# KiCad board stepper-driver.kicad_pcb (continued)
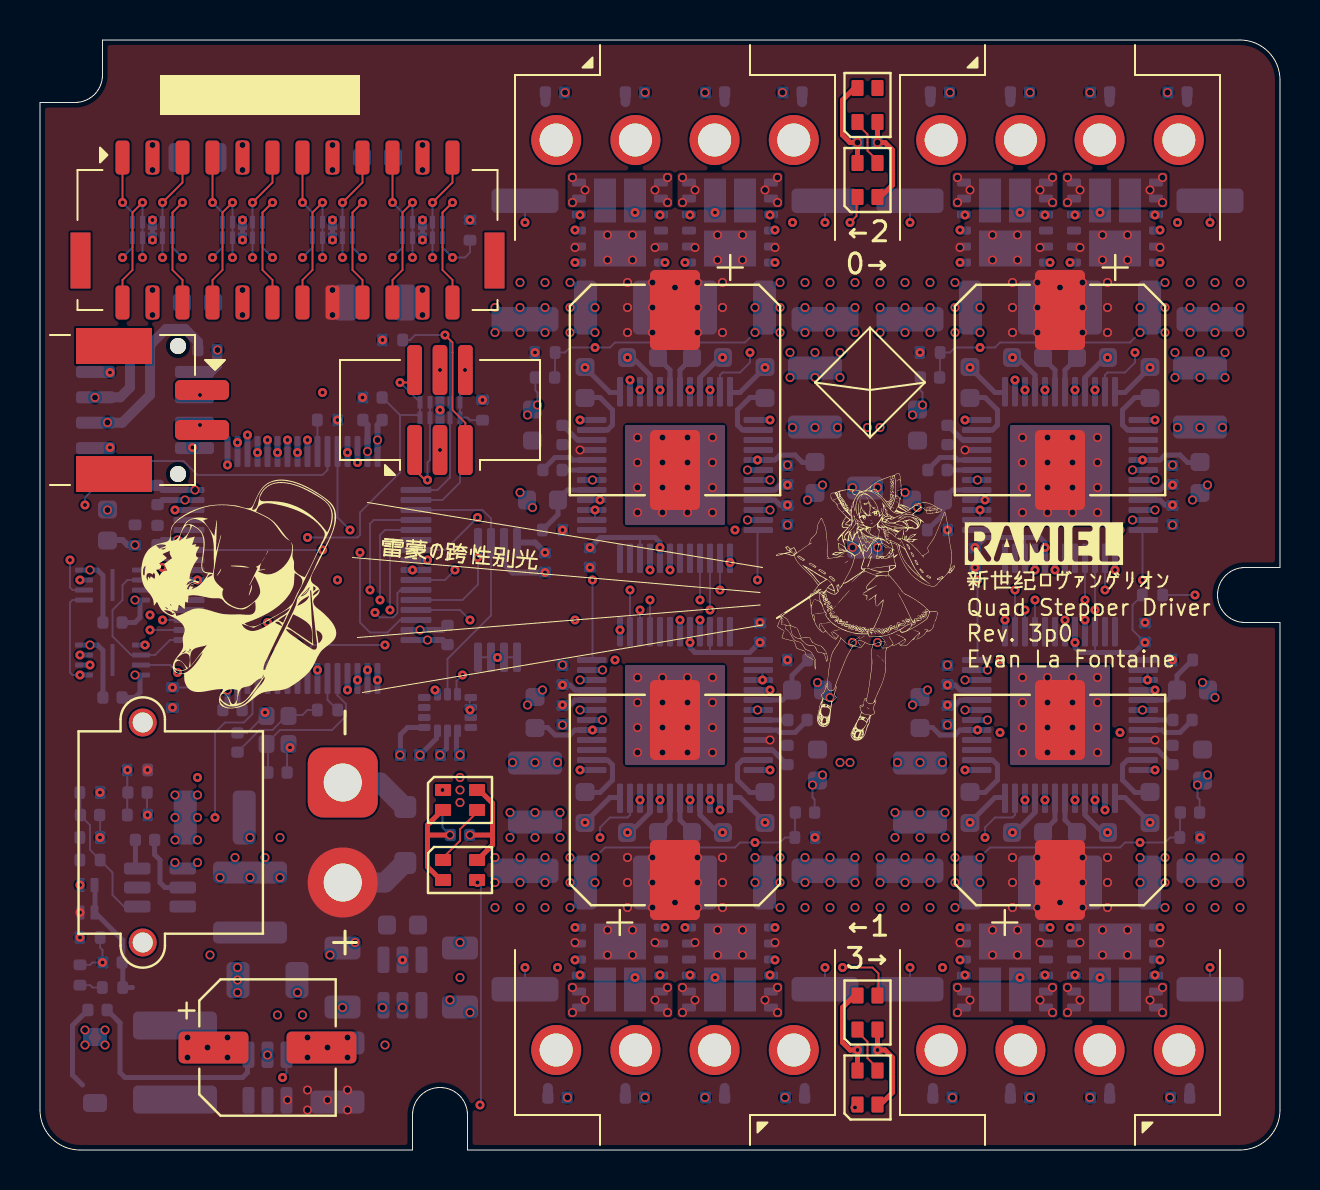
[diagram p0: board, top side]
## Nets (continued)
VDDA: C111.2 L250.2 U101.28 U101.29
/ARGB_{0}: D101.3 R101.2 U101.59
/ARGB_{1}: D101.1 D103.3
/ARGB_{2}: D103.1 D602.3
/CAN_RX: U101.45 U102.4
/CAN_TX: U101.46 U102.1
/CANH: J101.2 U102.7
/CANL: J101.1 U102.6
/Channel0/+A: C306.1 C311.2 J301.2 U301.10 U301.C U302.40
/Channel0/+B: C308.1 C309.2 J301.4 U302.48 U303.10 U303.C
/Channel0/-A: C307.1 C312.2 J301.1 U301.3 U301.B U302.37
/Channel0/-B: C310.2 C313.1 J301.3 U302.45 U303.3 U303.B
/Channel0/ARGB_{I}: D301.3 D402.1
/Channel0/ARGB_{O}: D301.1 D502.3
/Channel0/CHA.C1: C306.2 U302.42
/Channel0/CHA.C2: C307.2 U302.35
/Channel0/CHA.H1: U301.12 U302.41
/Channel0/CHA.H2: U301.1 U302.36
/Channel0/CHA.L1: U301.9 U302.39
/Channel0/CHA.L2: U301.4 U302.38
/Channel0/CHA.SRH: C303.2 R302.1 U301.5 U301.6 U301.7 U301.8 U302.8
/Channel0/CHB.C1: C308.2 U302.2
/Channel0/CHB.C2: C313.2 U302.43
/Channel0/CHB.H1: U302.1 U303.12
/Channel0/CHB.H2: U302.44 U303.1
/Channel0/CHB.L1: U302.47 U303.9
/Channel0/CHB.L2: U302.46 U303.4
/Channel0/CHB.SRH: C314.2 R303.1 U302.9 U303.5 U303.6 U303.7 U303.8
/Channel0/CPI: C302.1 U302.32
/Channel0/CPO: C302.2 U302.31
/Channel0/VCP: C301.1 U302.34
/Channel1/+A: C408.1 C413.2 J401.2 U401.10 U401.C U402.40
/Channel1/+B: C410.1 C411.2 J401.4 U402.48 U403.10 U403.C
/Channel1/-A: C409.1 C414.2 J401.1 U401.3 U401.B U402.37
/Channel1/-B: C412.2 C415.1 J401.3 U402.45 U403.3 U403.B
/Channel1/ARGB_{I}: D402.3 D602.1
/Channel1/CHA.C1: C408.2 U402.42
/Channel1/CHA.C2: C409.2 U402.35
/Channel1/CHA.H1: U401.12 U402.41
/Channel1/CHA.H2: U401.1 U402.36
/Channel1/CHA.L1: U401.9 U402.39
/Channel1/CHA.L2: U401.4 U402.38
/Channel1/CHA.SRH: C404.2 R408.1 U401.5 U401.6 U401.7 U401.8 U402.8
/Channel1/CHB.C1: C410.2 U402.2
/Channel1/CHB.C2: C415.2 U402.43
/Channel1/CHB.H1: U402.1 U403.12
/Channel1/CHB.H2: U402.44 U403.1
/Channel1/CHB.L1: U402.47 U403.9
/Channel1/CHB.L2: U402.46 U403.4
/Channel1/CHB.SRH: C416.2 R415.1 U402.9 U403.5 U403.6 U403.7 U403.8
/Channel1/CPI: C403.1 U402.32
/Channel1/CPO: C403.2 U402.31
/Channel1/VCP: C402.1 U402.34
/Channel2/+A: C508.1 C513.2 J501.2 U501.10 U501.C U502.40
/Channel2/+B: C510.1 C511.2 J501.4 U502.48 U503.10 U503.C
/Channel2/-A: C509.1 C514.2 J501.1 U501.3 U501.B U502.37
/Channel2/-B: C512.2 C515.1 J501.3 U502.45 U503.3 U503.B
/Channel2/ARGB_{O}: D502.1
/Channel2/CHA.C1: C508.2 U502.42
/Channel2/CHA.C2: C509.2 U502.35
/Channel2/CHA.H1: U501.12 U502.41
/Channel2/CHA.H2: U501.1 U502.36
/Channel2/CHA.L1: U501.9 U502.39
/Channel2/CHA.L2: U501.4 U502.38
/Channel2/CHA.SRH: C504.2 R508.1 U501.5 U501.6 U501.7 U501.8 U502.8
/Channel2/CHB.C1: C510.2 U502.2
/Channel2/CHB.C2: C515.2 U502.43
/Channel2/CHB.H1: U502.1 U503.12
/Channel2/CHB.H2: U502.44 U503.1
/Channel2/CHB.L1: U502.47 U503.9
/Channel2/CHB.L2: U502.46 U503.4
/Channel2/CHB.SRH: C516.2 R515.1 U502.9 U503.5 U503.6 U503.7 U503.8
/Channel2/CPI: C503.1 U502.32
/Channel2/CPO: C503.2 U502.31
/Channel2/VCP: C502.1 U502.34
/Channel3/+A: C608.1 C613.2 J601.2 U601.10 U601.C U602.40
/Channel3/+B: C610.1 C611.2 J601.4 U602.48 U603.10 U603.C
/Channel3/-A: C609.1 C614.2 J601.1 U601.3 U601.B U602.37
/Channel3/-B: C612.2 C615.1 J601.3 U602.45 U603.3 U603.B
/Channel3/CHA.C1: C608.2 U602.42
/Channel3/CHA.C2: C609.2 U602.35
/Channel3/CHA.H1: U601.12 U602.41
/Channel3/CHA.H2: U601.1 U602.36
/Channel3/CHA.L1: U601.9 U602.39
/Channel3/CHA.L2: U601.4 U602.38
/Channel3/CHA.SRH: C604.2 R608.1 U601.5 U601.6 U601.7 U601.8 U602.8
/Channel3/CHB.C1: C610.2 U602.2
/Channel3/CHB.C2: C615.2 U602.43
/Channel3/CHB.H1: U602.1 U603.12
/Channel3/CHB.H2: U602.44 U603.1
/Channel3/CHB.L1: U602.47 U603.9
/Channel3/CHB.L2: U602.46 U603.4
/Channel3/CHB.SRH: C616.2 R615.1 U602.9 U603.5 U603.6 U603.7 U603.8
/Channel3/CPI: C603.1 U602.32
/Channel3/CPO: C603.2 U602.31
/Channel3/VCP: C602.1 U602.34
/DBG.NRST: C103.2 D108.5 D108.6 J103.2 U101.7
/DBG.SWCLK: D108.1 D108.10 J103.6 R108.1 U101.50
/DBG.SWDIO: D108.2 D108.9 J103.5 R107.2 U101.49
/DBG.SWO: D108.4 D108.7 J103.1 U101.56
/LI2C_SCL: U101.51 U103.6 U107.13
/LI2C_SDA: U101.60 U103.5 U107.14
/OSC_IN: C101.2 U101.5 Y101.1
/OSC_OUT: R102.2 U101.6
/OSC_OUT_L: C102.2 R102.1 Y101.3
/Power/CP+: C241.2 U240.6
/Power/CP-: C241.1 U240.4
/QSPI.IO0: U101.25 U106.5
/QSPI.IO1: U101.24 U106.2
/QSPI.IO2: U101.21 U106.3
/QSPI.IO3: U101.20 U106.7
/QSPI.IO4: U101.9 U105.5
/QSPI.IO5: U101.10 U105.2
/QSPI.IO6: U101.11 U105.3
/QSPI.IO7: U101.22 U105.7
/QSPI.NCS: R105.2 U101.14 U105.1 U106.1
/QSPI.SCK: U101.17 U105.6 U106.6
/STEP.CLK: R104.1 U302.12 U402.12 U502.12 U602.12
/STEP.DIAG: U101.44 U302.26 U302.27 U402.26 U402.27 U502.26 U502.27 U602.26 U602.27
/STEP.MISO: U101.53 U302.16 U402.16 U502.16 U602.16
/STEP.MOSI: U101.54 U302.15 U402.15 U502.15 U602.15
/STEP.NCS0: U101.62 U302.13
/STEP.NCS1: U101.2 U402.13
/STEP.NCS2: U101.3 U502.13
/STEP.NCS3: U101.4 U602.13
/STEP.NEN: R103.2 U101.55 U302.28 U402.28 U502.28 U602.28
/STEP.SCK: U101.52 U302.14 U402.14 U502.14 U602.14
/STEP_CLK_UT: R104.2 U101.42
/TEMP0: C322.2 R304.2 TH301.1 U101.12
/TEMP1: C426.2 R417.2 TH401.1 U101.13
/TEMP2: C526.2 R517.2 TH501.1 U101.26
/TEMP3: C626.2 R617.2 TH601.1 U101.23
/XIO0: D104.1 D104.10 J102.1 U101.18
/XIO1: D104.2 D104.9 J102.2 U101.19
/XIO2: D104.4 D104.7 J102.5 U101.30
/XIO3: D104.5 D104.6 J102.6 U101.33
/XIO4: D105.1 D105.10 J102.7 U101.34
/XIO5: D105.2 D105.9 J102.8 U101.35
/XIO6: D105.4 D105.7 J102.11 U101.36
/XIO7: D105.5 D105.6 J102.12 U101.37
/XIO8: D106.1 D106.10 J102.13 U101.38
/XIO9: D106.2 D106.9 J102.14 U101.39
/XIO10: D106.4 D106.7 J102.17 U101.40
/XIO11: D106.5 D106.6 J102.18 U101.41
/XIO12: D107.1 D107.10 J102.19 U101.8
/XIO13: D107.2 D107.9 J102.20 U101.57
/XIO14: D107.4 D107.7 J102.23 U101.58
/XIO15: D107.5 D107.6 J102.24 R106.1 U101.61

Pads without a net: U105 9; U106 9; U107 4 9 10 11; U230 5; U302 17 18 23 24 25; U402 17 18 23 24 25; U502 17 18 23 24 25; U602 17 18 23 24 25

## Via types
v1: diameter 0.45, hole 0.3, Top to Bottom, 539 vias
v2: diameter 0.45, hole 0.2, Top to Bottom, 330 vias

## Routing (per net, layer and track width the routed paths; a pad name or vN(x,y) marks a point on that pad's centre or on a via; arc(x,y) is an arc through that point)
+5V: length 143.8
  Top w0.25: 41.88,51.25 v1(41.88,50.38) 42.25,50.38 42.62,50 42.62,48.25 42,47.62 ; 42,2.25 42.62,2.88 42.62,4.62 42.25,5 v2(41.88,5) 41.88,5.75 ; 20.12,17 19.38,16.25 19.38,14.16 20.09,13.45 ; v1(20.5,15.75) 19.5,15.75
  In2.Cu w0.25: v1(8.5,9.75) 10.75,9.75 11.57,8.93 19.07,8.93 v1(20.5,7.5) 20.88,7.5 v1(21.5,6.88) 21.5,6.5 24.47,3.53 40.4,3.53 v2(41.88,5)
  In3.Cu w0.25: v1(2.75,37.62) 2.75,35.24 3.86,34.14 3.86,20.15 4.82,19.18 4.82,13.43 v1(8.5,9.75) ; v1(41.88,50.38) 42.62,49.62 42.62,36.62 44.5,34.75 44.5,24.25 41.38,21.12 41.38,5.5 v2(41.88,5) ; v1(21.5,6.88) 20.88,7.5 v1(20.5,7.5) v1(20.5,15.75)
  Bottom w0.095: v1(20.5,15.75) 20.12,16.12 20.12,17
  Bottom w0.5: 4.5,40.25 4.5,38.12 4.01,37.63 U102.3
+12V: length 138.3
  In2.Cu w0.5: v1(9.88,7.88) v1(9.88,8.5) v1(9.88,9.12) 9.88,9.19 ; v1(37.62,36.12) 44.62,36.12 45.57,37.07 52.28,37.07 53.47,35.88 56.62,35.88 v1(56.88,36.12) v1(59.12,36.12) ; v1(21,17.38) v1(21,18.62) 21.75,19.38 v1(23.62,19.38) v1(25.88,19.38) 26.07,19.57 27.24,19.57 28.38,18.43 36.74,18.43 37.68,19.38 v1(40,19.38) v1(40.5,19.38) v1(45.12,19.38)
  In3.Cu w0.25: v1(9.88,9.12) 9.88,13.83 9.27,14.43 9.27,21.52 10.35,22.6 10.35,34.02 8.5,35.88 8.5,38 8,38.5 8,45.12 10.12,47.24 v1(10.12,49) v1(10.12,50.25)
  In3.Cu w0.5: v1(40,19.38) v1(40.5,19.38) 40.5,21.88 43.38,24.75 43.38,30.62 42.62,31.38 42.62,34.38 42,35 v1(42,36.12) v1(41.38,36.12) ; v1(9.88,7.88) v1(9.88,9.12) 11.75,11 16.88,11 18.25,12.38 18.25,14.5 21,17.25 v1(21,18.62)
  Bottom w0.25: 4.62,8.12 R220.1 4.14,10.49 2.75,11.88 2.75,13.25
  vias: v1(7.38,5.62) v1(7.38,4.62) v1(8.38,5.12) v1(9.38,5.62) v1(9.38,4.62) v1(21,18) v1(24.75,19.38) v1(38.75,36.12) v1(39.88,36.12) v1(42.88,19.38) v1(44,19.38) v1(58,36.12)
/Channel0/5V_{FLT}: length 3.7
  Bottom w0.25: C305.2 25.9,31.77 25.12,31 ; 25.88,32.5 26.38,33 U302.29
/Channel0/5V_{RAW}: length 15.7
  In2.Cu w0.25: v2(34.75,31) v2(26.12,31)
  In3.Cu w0.25: v2(34.75,31) 34.75,32.5 35.88,33.62 v2(35.88,34.5)
  Bottom w0.25: 38.75,34.38 38.12,34.38 37.75,34.75 37,34.75 36.75,34.5 U302.5
/Channel1/5V_{FLT}: length 3.7
  Bottom w0.25: U402.29 37.12,22.5 37.62,23 ; 38.38,24.5 37.6,23.73 C407.2
/Channel1/5V_{RAW}: length 15.7
  In2.Cu w0.25: v2(28.75,24.5) v2(37.38,24.5)
  In3.Cu w0.25: v2(27.62,21) 27.62,21.88 28.75,23 v2(28.75,24.5)
  Bottom w0.25: 24.75,21.12 25.38,21.12 25.75,20.75 26.5,20.75 26.75,21 U402.5
/Channel2/5V_{FLT}: length 3.7
  Bottom w0.25: 45.12,32.5 45.62,33 U502.29 ; 44.38,31 45.15,31.77 C507.2
/Channel2/5V_{RAW}: length 15.7
  In2.Cu w0.25: v2(54,31) v2(45.38,31)
  In3.Cu w0.25: v2(54,31) 54,32.5 55.12,33.62 v2(55.12,34.5)
  Bottom w0.25: 58,34.38 57.38,34.38 57,34.75 56.25,34.75 56,34.5 U502.5
/Channel3/5V_{FLT}: length 3.7
  Bottom w0.25: 56.88,23 56.38,22.5 U602.29 ; C607.2 56.85,23.73 57.62,24.5
/Channel3/5V_{RAW}: length 15.7
  In2.Cu w0.25: v2(48,24.5) v2(56.62,24.5)
  In3.Cu w0.25: v2(48,24.5) 48,23 46.88,21.88 v2(46.88,21)
  Bottom w0.25: U602.5 46,21 45.75,20.75 45,20.75 44.62,21.12 44,21.12
/Power/3V3_{BST}: length 1.4
  Bottom w0.25: 4.75,14.12 4.77,14.14 C231.1
/Power/3V3_{FBM}: length 1.1
  Bottom w0.095: R231.1 1.99,15.62 2,15.62
/Power/3V3_{FB}: length 7.3
  Bottom w0.095: 2,17.88 2.02,17.86 C232.1 ; 3,14.5 3.62,13.88 3.62,12.75 4.2,12.18 U230.4 ; 2,16.75 2.5,16.25 2.5,15.01 R231.2
/Power/3V3_{SW}: length 3.6
  Bottom w0.25: 7.25,13.12 6.25,13.12 6,13.38 6,14.5 5.73,14.77 C231.2
/Power/12V_{BST}: length 10.7
  Bottom w0.25: C224.1 4,6.36 4,3.88 4.25,3.62 10.12,3.62 10.38,3.88 10.38,4.62
/Power/12V_{FBM}: length 1.2
  Bottom w0.095: R221.1 2.51,8.24 2.62,8.12 3.12,8.12
/Power/12V_{FB}: length 15.8
  In2.Cu w0.095: v2(12.12,3.62) 7.5,3.62 3.12,8 v2(3.12,9.38)
  Bottom w0.095: v2(3.12,9.38) 2.62,9.38 2.51,9.26 R221.2 ; R222.1 3.01,10.11 3.12,10 3.12,9.5 ; v2(12.12,3.62) 12.32,3.82 U220.3
/Power/12V_{SW}: length 4.3
  Bottom w0.25: 2.12,3.25 1.62,3.75 1.62,6.23 C224.2
/VBUS_SENSE: length 31
  In3.Cu w0.095: v2(4.38,19) 3,20.38 3,31.5 v2(2.25,32.25)
  Bottom w0.095: 4.38,16.75 4.36,16.76 R210.2 ; v2(2.25,32.25) 2.25,32.62 4.07,34.45 7.18,34.45 7.88,33.75 14.12,33.75 14.38,34 U101.43
GND: length 85.3
  Top w0.25: 21.91,18.05 22.62,17.34 22.62,15.25 21.88,14.5 ; v1(21.5,15.75) 22.5,15.75 ; 40.88,49.62 v1(40.88,50.38) 40.5,50.38 40.12,50.75 40.12,52.5 40.75,53.12 ; 40.88,4.12 v2(40.88,5) 40.5,5 40.12,5.38 40.12,7.12 40.75,7.75
  Bottom w0.095: C102.1 10.36,20.86 11.12,21.62 ; C426.1 38.73,17.52 38.62,17.62 v1(38.62,18.25) ; 23.88,24.62 23.86,24.64 U103.4 ; v2(5.38,16.75) 5.36,16.77 C210.1 ; 54.75,40.62 54.5,40.38 51.62,40.38 51.5,40.5 51.5,41.51 TH501.2 ; C526.1 44.02,37.98 44.12,37.88 v1(44.12,37.25) ; 21.5,21.62 21.48,21.64 21.48,22.62 ; TH601.2 50.5,13.99 50.5,15 50.38,15.12 47.5,15.12 47.25,14.88 ; TH301.2 32.25,41.51 32.25,40.5 32.38,40.38 35.25,40.38 35.5,40.62 ; v1(24.88,37.25) 24.88,37.88 24.77,37.98 C322.1 ; v1(57.88,18.25) 57.88,17.62 57.98,17.52 C626.1 ; C101.1 12.36,20.23 12.38,20.25 ; TH401.2 31.25,13.99 31.25,15 31.12,15.12 28.25,15.12 28,14.88
  Bottom w0.25: 2.25,29 v1(2.5,29) 2.88,29 3.14,28.73 C119.1 ; D107.3 v2(19.12,45.5) ; D106.3 v2(14.62,45.5) ; D105.3 v2(10.12,45.5) ; 20,36.62 v2(20,37) D108.8 ; v1(20,19.75) 20.32,20.07 20.32,20.96 ; v1(19,19.75) 19.82,20.57 19.82,20.96 ; C120.1 3.14,24.98 2.88,25.25 v1(2.5,25.25) 2.38,25.25 ; D104.3 v2(5.62,45.5)
  Bottom w0.3: U101.27 v1(6.88,30.5) 6.12,30.5 5.88,30.25 ; 10.12,22 9.88,22.25 v1(9.88,23.5) U101.15 ; 20.38,26.25 20.12,26 v1(19,26) U101.63 ; U103.7 23.2,29.3 23.62,28.88 v2(25.25,28.88) ; U101.31 v1(7.25,32.5) 6.12,32.5 5.88,32.25 ; 16.12,36.5 16.38,36.25 v1(16.38,34.92)
  Bottom w0.5: U102.2 4.11,36.37 5.5,37.75 5.5,40.25 6.3,41.05 7.25,41.05 7.89,40.41 C116.1
  Bottom w1: J210.1 17,18.38 18.25,17.12
  vias: v1(2.25,6) v1(2.25,5.25) v1(3.25,6) v1(3.25,5.25) v1(3.38,36.38) v1(3.38,32) v1(5.62,50.25) v1(5.62,49) v1(6.75,17.75) v1(6.75,16.62) v1(6.75,15.5) v1(6.75,14.38) v1(7.88,17.75) v1(7.88,16.62) v1(7.88,15.5) v1(7.88,14.38) v1(10.12,43) v1(10.12,41.75) v1(11.38,4.75) v1(11.88,6.75) v1(12.88,7.88) v1(13.12,6.75) v1(13.38,5.62) v1(13.38,4.62) v1(14.38,5.12) v1(14.62,50.25) v1(14.62,49) v1(15.12,7.12) v1(15.38,5.62) v1(15.38,4.62) v1(17.25,5.25) v1(18.12,7.12) v1(19.12,43) v1(19.12,41.75) v1(21,10.38) v1(21,8.62) v1(22.75,42.12) v1(22.75,40.88) v1(22.75,14.62) v1(22.75,13.38) v1(22.75,12.12) v1(23.5,16.88) v1(23.5,15.62) v1(24,43.38) v1(24,42.12) v1(24,40.88) v1(24,32.88) v1(24,14.62) v1(24,13.38) v1(24,12.12) v1(24.38,36.75) v1(24.38,22.25) v1(24.62,32.12) v1(24.75,16.88) v1(24.75,15.62) v1(25.12,23) v1(25.25,43.38) v1(25.25,42.12) v1(25.25,40.88) v1(25.25,14.62) v1(25.25,13.38) v1(25.25,12.12) v1(26,16.88) v1(26,15.62) v1(26.12,24.25) v1(26.12,21.25) v1(26.25,52.88) v1(26.38,2.62) v1(26.5,43.38) v1(26.5,42.12) v1(26.5,40.88) v1(26.5,14.62) v1(26.5,13.38) v1(26.5,12.12) v1(27,23.5) v1(27,22) v1(27.62,33.5) v1(27.75,42.12) v1(27.75,40.88) v1(27.75,14.62) v1(27.75,13.38) v1(28.12,24) v1(28.12,21.5) v1(29.88,35.62) v1(29.88,34.38) v1(29.88,33.12) v1(29.88,31.88) v1(29.88,23.62) v1(29.88,22.38) v1(29.88,21.12) v1(29.88,19.88) v1(30.25,52.88) v1(30.25,2.62) v1(31.12,35.62) v1(31.12,34.38) v1(31.12,33.12) v1(31.12,31.88) v1(31.12,23.62) v1(31.12,22.38) v1(31.12,21.12) v1(31.12,19.88) v1(32.38,35.62) v1(32.38,34.38) v1(32.38,33.12) v1(32.38,31.88) v1(32.38,23.62) v1(32.38,22.38) v1(32.38,21.12) v1(32.38,19.88) v1(33.25,52.88) v1(33.25,2.62) v1(33.62,35.62) v1(33.62,34.38) v1(33.62,33.12) v1(33.62,31.88) v1(33.62,23.62) v1(33.62,22.38) v1(33.62,21.12) v1(33.62,19.88) v1(35.38,34) v1(35.38,31.5) v1(35.75,42.12) v1(35.75,40.88) v1(35.75,14.62) v1(35.75,13.38) v1(35.88,22) v1(36.5,33.5) v1(36.5,32) v1(37,43.38) v1(37,42.12) v1(37,40.88) v1(37,14.62) v1(37,13.38) v1(37,12.12) v1(37.12,52.88) v1(37.25,2.62) v1(37.38,34.25) v1(37.38,31.25) v1(37.5,39.88) v1(37.5,38.62) v1(38.25,43.38) v1(38.25,42.12) v1(38.25,40.88) v1(38.25,14.62) v1(38.25,13.38) v1(38.25,12.12) v1(38.38,32.5) v1(38.75,39.88) v1(38.75,38.62) v1(38.88,23.38) v1(39.12,33.25) v1(39.12,18.75) v1(39.5,43.38) v1(39.5,42.12) v1(39.5,40.88) v1(39.5,22.62) v1(39.5,14.62) v1(39.5,13.38) v1(39.5,12.12) v1(40,39.88) v1(40,38.62) v1(40.62,33.12) v1(40.75,43.38) v1(40.75,42.12) v1(40.75,40.88) v1(40.75,14.62) v1(40.75,13.38) v1(40.75,12.12) v1(41.88,33.12) v1(42,43.38) v1(42,42.12) v1(42,40.88) v1(42,14.62) v1(42,13.38) v1(42,12.12) v1(42.75,16.88) v1(42.75,15.62) v1(43.25,43.38) v1(43.25,42.12) v1(43.25,40.88) v1(43.25,32.88) v1(43.25,14.62) v1(43.25,13.38) v1(43.25,12.12) v1(43.62,36.75) v1(43.62,22.25) v1(43.88,32.12) v1(44,16.88) v1(44,15.62) v1(44.38,23) v1(44.5,43.38) v1(44.5,42.12) v1(44.5,40.88) v1(44.5,14.62) v1(44.5,13.38) v1(44.5,12.12) v1(45.25,16.88) v1(45.25,15.62) v1(45.38,24.25) v1(45.38,21.25) v1(45.5,52.88) v1(45.62,2.62) v1(45.75,43.38) v1(45.75,42.12) v1(45.75,40.88) v1(45.75,14.62) v1(45.75,13.38) v1(45.75,12.12) v1(46.25,23.5) v1(46.25,22) v1(46.88,33.5) v1(47,42.12) v1(47,40.88) v1(47,14.62) v1(47,13.38) v1(47.38,24) v1(47.38,21.5) v1(49.12,35.62) v1(49.12,34.38) v1(49.12,33.12) v1(49.12,31.88) v1(49.12,23.62) v1(49.12,22.38) v1(49.12,21.12) v1(49.12,19.88) v1(49.5,52.88) v1(49.5,2.62) v1(50.38,35.62) v1(50.38,34.38) v1(50.38,33.12) v1(50.38,31.88) v1(50.38,23.62) v1(50.38,22.38) v1(50.38,21.12) v1(50.38,19.88) v1(51.62,35.62) v1(51.62,34.38) v1(51.62,33.12) v1(51.62,31.88) v1(51.62,23.62) v1(51.62,22.38) v1(51.62,21.12) v1(51.62,19.88) v1(52.5,52.88) v1(52.5,2.62) v1(52.88,35.62) v1(52.88,34.38) v1(52.88,33.12) v1(52.88,31.88) v1(52.88,23.62) v1(52.88,22.38) v1(52.88,21.12) v1(52.88,19.88) v1(54.62,34) v1(54.62,31.5) v1(55,42.12) v1(55,40.88) v1(55,14.62) v1(55,13.38) v1(55.12,22) v1(55.75,33.5) v1(55.75,32) v1(56.25,43.38) v1(56.25,42.12) v1(56.25,40.88) v1(56.25,14.62) v1(56.25,13.38) v1(56.25,12.12) v1(56.38,52.88) v1(56.5,2.62) v1(56.62,34.25) v1(56.62,31.25) v1(56.75,39.88) v1(56.75,38.62) v1(57.5,43.38) v1(57.5,42.12) v1(57.5,40.88) v1(57.5,14.62) v1(57.5,13.38) v1(57.5,12.12) v1(57.62,32.5) v1(58,39.88) v1(58,38.62) v1(58.12,23.38) v1(58.38,33.25) v1(58.38,18.75) v1(58.75,43.38) v1(58.75,42.12) v1(58.75,40.88) v1(58.75,22.62) v1(58.75,14.62) v1(58.75,13.38) v1(58.75,12.12) v1(59.25,39.88) v1(59.25,38.62) v1(60,43.38) v1(60,42.12) v1(60,40.88) v1(60,14.62) v1(60,13.38) v1(60,12.12) v2(2,10.62) v2(3,17.88) v2(5.5,26.75) v2(5.62,46.5) v2(6.12,29.12) v2(7.62,35.12) v2(10.12,46.5) v2(11.25,21.88) v2(12.5,20.12) v2(14.62,46.5) v2(16.12,37.62) v2(19.12,46.5) v2(20,35) v2(21.5,46.5) v2(21.5,22) v2(22.12,37.5) v2(22.88,24.62) v2(27.5,29.12) v2(30.5,29) v2(31.5,29) v2(32,26.5) v2(33,26.5) v2(36,26.38) v2(46.75,29.12) v2(49.75,29) v2(50.75,29) v2(51.25,26.5) v2(52.25,26.5) v2(55.25,26.38)
VBUS: length 3.5
  Bottom w1: J210.2 17.25,13.38 18.25,14.38
  vias: v1(12.38,2.5) v1(13.38,3) v1(13.38,2) v1(14.38,2.5) v1(14.62,43) v1(14.62,41.75) v1(15.38,3) v1(15.38,2) v1(26.75,45.12) v1(26.75,10.38) v1(27,35) v1(28.38,45.75) v1(28.38,44.5) v1(28.38,11) v1(28.38,9.75) v1(29.38,43.38) v1(29.38,42.12) v1(29.38,40.88) v1(29.38,14.62) v1(29.38,13.38) v1(29.38,12.12) v1(29.62,45.75) v1(29.62,44.5) v1(29.62,11) v1(29.62,9.75) v1(30.62,43.38) v1(30.62,42.12) v1(30.62,40.88) v1(30.62,14.62) v1(30.62,13.38) v1(30.62,12.12) v1(30.75,45.12) v1(30.75,10.38) v1(31.75,43.12) v1(31.75,12.38) v1(32.75,45.12) v1(32.75,10.38) v1(32.88,43.38) v1(32.88,42.12) v1(32.88,40.88) v1(32.88,14.62) v1(32.88,13.38) v1(32.88,12.12) v1(33.88,45.75) v1(33.88,44.5) v1(33.88,11) v1(33.88,9.75) v1(34.12,43.38) v1(34.12,42.12) v1(34.12,40.88) v1(34.12,14.62) v1(34.12,13.38) v1(34.12,12.12) v1(35.12,45.75) v1(35.12,44.5) v1(35.12,11) v1(35.12,9.75) v1(36.5,20.5) v1(36.75,45.12) v1(36.75,10.38) v1(46,45.12) v1(46,10.38) v1(46.25,35) v1(47.62,45.75) v1(47.62,44.5) v1(47.62,11) v1(47.62,9.75) v1(48.62,43.38) v1(48.62,42.12) v1(48.62,40.88) v1(48.62,14.62) v1(48.62,13.38) v1(48.62,12.12) v1(48.88,45.75) v1(48.88,44.5) v1(48.88,11) v1(48.88,9.75) v1(49.88,43.38) v1(49.88,42.12) v1(49.88,40.88) v1(49.88,14.62) v1(49.88,13.38) v1(49.88,12.12) v1(50,45.12) v1(50,10.38) v1(51,43.12) v1(51,12.38) v1(52,45.12) v1(52,10.38) v1(52.12,43.38) v1(52.12,42.12) v1(52.12,40.88) v1(52.12,14.62) v1(52.12,13.38) v1(52.12,12.12) v1(53.12,45.75) v1(53.12,44.5) v1(53.12,11) v1(53.12,9.75) v1(53.38,43.38) v1(53.38,42.12) v1(53.38,40.88) v1(53.38,14.62) v1(53.38,13.38) v1(53.38,12.12) v1(54.38,45.75) v1(54.38,44.5) v1(54.38,11) v1(54.38,9.75) v1(55.75,20.5) v1(56,45.12) v1(56,10.38) v2(2,11.88) v2(5.38,19)
VDD: length 136.1
  In2.Cu w0.5: v2(50.25,30.12) v2(46.75,30.12) v1(41.88,30.12) v1(40.62,30.12) v2(31,30.12) v2(27.5,30.12) 25.5,30.12 v2(25.25,29.88) 23.38,29.88 ; v2(55.25,25.38) v2(51.75,25.38) v2(32.5,25.38)
  In3.Cu w0.095: v2(27.5,30.12) 26.5,31.12 26.5,36.25 24.75,38 v2(24.75,39.88) ; v2(55.25,25.38) 56.15,24.48 56.15,19.35 58,17.5 v2(58,15.62) ; v2(46.75,30.12) 45.75,31.12 45.75,36.25 44,38 v2(44,39.88) ; v2(36,25.38) 37,24.38 37,19.25 38.75,17.5 v2(38.75,15.62)
  Bottom w0.095: 3,16.75 3.01,16.74 R230.1 ; U302.22 30,30.62 ; U602.22 52.75,24.88 ; U402.22 33.5,24.88 ; v2(55.25,25.38) 54.62,26 54.62,27.25 55.11,27.74 ; U502.22 49.25,30.62
  Bottom w0.25: C619.2 54.73,24.88 52,24.88 51.75,25.12 v2(51.75,25.38) ; C120.2 4.75,22.62 5,22.88 5,23.75 ; 20.82,20.96 20.82,19.93 v1(21,19.75) ; v2(31,30.12) 31,30.38 30.75,30.62 28.02,30.62 C321.2 ; v2(32.5,25.38) 32.5,25.12 32.75,24.88 35.48,24.88 C419.2 ; C119.2 4.75,26.38 5,26.62 5,27.5 ; v2(50.25,30.12) 50.25,30.38 50,30.62 47.27,30.62 C519.2 ; C121.2 18.02,20.77 18.38,21.12 19.12,21.12
  Bottom w0.3: L250.1 4.39,30.24 4.12,30.5 3.38,30.5 ; 20.38,25.25 20.12,25.5 v1(19.38,25.5) U101.64 ; 5.88,33.25 6.12,33 U101.32 ; U103.8 23.86,30.38 24.75,30.38 v2(25.25,29.88) ; 9.12,22 9.38,22.25 v1(9.38,23) U101.16 ; 17.12,36.5 16.88,36.25 v1(16.88,35.5) U101.48
  Bottom w0.5: C116.2 8.86,39.23 8.5,38.88
  vias: v1(4.75,30.25) v1(4.75,27.5) v1(4.75,23.75) v1(5.62,43) v1(5.62,41.75) v1(7.75,33) v1(8.88,40) v1(9,13.62) v1(9.75,14.62) v1(10.5,15.62) v1(10.5,13.62) v1(11.25,14.62) v1(12,15.62) v1(12,13.62) v1(14.5,9.75) v1(15.75,10.38) v1(17.12,7.12) v1(18,19.75) v1(19.12,50.25) v1(19.12,49) v1(40.62,25.38) v1(41.88,25.38) v2(2,13.25) v2(3,15.62) v2(6.62,22.12) v2(16.88,23.5) v2(17.12,40.5) v2(18.12,9.5) v2(19.75,23) v2(20,39)
/ARGB_{0}: length 13.6
  In3.Cu w0.095: v2(16.75,26.88) 16.75,24.15 19.6,21.29 19.6,18.52 v2(20.12,18)
  Bottom w0.095: v2(16.75,26.88) 16.99,26.63 17.65,26.63 17.87,26.85 17.87,27.84 18.03,28 U101.59
/ARGB_{1}: length 3.2
  Top w0.095: 20.09,14.55 21,15.46 21,16.04 21.91,16.95
/ARGB_{2}: length 30.3
  In2.Cu w0.095: v2(22,2.25) 22.5,1.75 40.38,1.75 v2(40.75,2.12)
  Bottom w0.095: v2(22,2.25) 22.04,2.29 22.04,13.21 v2(21.88,13.38)
/CAN_RX: length 13.5
  In2.Cu w0.095: v2(15.38,34.88) 11.38,38.88 v2(3.5,38.88)
/CAN_TX: length 12.7
  In2.Cu w0.095: v2(15.88,34.38) 9.77,34.38 9.53,34.62 4.01,34.62 v2(3.5,35.12)
/CANH:
  vias: v2(8,36.25)
/CANL:
  vias: v2(8,37.75)
/Channel0/+A: length 10.4
  In3.Cu w0.25: v2(29.38,39.62) 28.9,40.1 28.9,46.02 v2(29.75,46.88)
  Bottom w0.25: 29.62,39.62 30.5,38.75 U302.40
  Bottom w0.5: C311.2 29.27,52.39
/Channel0/+B: length 9.8
  In3.Cu w0.25: v2(36.25,39.12) 36.25,45.5 v2(36.75,46)
  Bottom w0.25: v2(36.25,39.12) 35,37.88 34.54,37.88
  Bottom w0.5: C309.2 38.11,52.39
/Channel0/-A: length 9.8
  In3.Cu w0.25: v2(26.75,46) 27.25,45.5 v2(27.25,39.12)
  Bottom w0.25: 28.96,37.88 28.5,37.88 v2(27.25,39.12)
  Bottom w0.5: C312.2 25.27,52.39
/Channel0/-B: length 10.5
  In3.Cu w0.25: v2(34.12,39.62) 34.75,40.25 34.75,43.88 34.5,44.12 34.5,46.12 v2(33.75,46.88)
  Bottom w0.25: 34,39.62 33,38.62 U302.45
  Bottom w0.5: C310.2 34.23,52.39
/Channel0/ARGB_{I}: length 43.2
  Top w0.095: v2(40.5,46.38) 40.83,46.7 40.83,47.59 ; 41.92,7.79 41.92,8.82 41.62,9.12 v2(40.12,9.12)
  In3.Cu w0.095: v2(40.5,46.38) 41.25,45.62 41.25,37.41 40.75,36.91 40.75,33.81 39.33,32.4 39.33,23.02 39.1,22.79 39.1,19.34 40.12,18.31 v2(40.12,9.12)
/Channel0/ARGB_{O}: length 2.4
  Top w0.095: 41.92,49.41 41.38,49.97 41.38,50.78 40.83,51.34
/Channel0/CHA.C1: length 2
  Bottom w0.25: 30.88,39.62 31.5,39 U302.42
/Channel0/CHA.C2: length 3.5
  Bottom w0.25: U302.35 28.38,36 28.62,36.25 28.62,37 28,37.62 27.25,37.62
/Channel0/CHA.H1: length 6.5
  In3.Cu w0.095: v2(31.25,44.38) 31.25,38.25 v2(31,38)
/Channel0/CHA.H2: length 8.6
  In3.Cu w0.095: v2(26.75,44.38) 26,43.62 26,37.5 v2(27,36.5)
/Channel0/CHA.L1: length 9.5
  In3.Cu w0.095: v2(31,46.75) 31.38,46.38 31.38,45.12 30,43.75 v2(30,38)
/Channel0/CHA.L2: length 9.3
  In3.Cu w0.095: v2(27,46.75) 27.75,46 27.75,44.5 28.25,44 28.25,39.75 v2(29.5,38.5)
/Channel0/CHA.SRH: length 30.7
  In2.Cu w0.095: v2(24.25,46.38) v2(37.62,46.38)
  In3.Cu w0.095: v2(37.62,46.38) 38.88,45.12 38.88,40.62 39.38,40.12 39.38,35.25 v2(37.38,33.25)
  Bottom w0.095: R302.1 v2(24.25,46.38)
  Bottom w0.25: U302.8 36.75,33 37,33.25 v2(37.38,33.25)
  vias: v1(26.62,48.62) v1(26.62,47.38) v1(27.25,48) v1(30.75,48) v1(31.38,48.62) v1(31.38,47.38)
/Channel0/CHB.C1: length 3.4
  Bottom w0.25: 36.12,37.62 35.5,37.62 34.88,37 34.88,36.25 35.12,36 U302.2
/Channel0/CHB.C2: length 2
  Bottom w0.25: 32.62,39.62 32,39 U302.43
/Channel0/CHB.H1: length 9
  In3.Cu w0.095: v2(36.75,44.38) 37.75,43.38 37.75,40.62 38,40.38 38,38 v2(36.5,36.5)
/Channel0/CHB.H2: length 6.5
  In3.Cu w0.095: v2(32.25,44.38) 32.25,38.25 v2(32.5,38)
/Channel0/CHB.L1: length 10.3
  In3.Cu w0.095: v2(35.5,39.88) 35.25,40.12 35.25,44 35.62,44.38 35.62,45.88 v2(36.5,46.75)
  Bottom w0.095: 34,38.25 34,38.75 34.12,38.88 35,38.88 35.5,39.38 v2(35.5,39.88)
/Channel0/CHB.L2: length 9.2
  In3.Cu w0.095: v2(33.5,38) 33.5,43.75 33.25,44 33.25,46 v2(32.5,46.75)
/Channel0/CHB.SRH: length 18.5
  In3.Cu w0.095: v2(37.38,32.25) 40.4,35.27 40.4,40.48 40.12,40.75 40.12,45.5 v2(39.25,46.38)
  Bottom w0.095: R303.1 v2(39.25,46.38)
  Bottom w0.25: U302.9 36.75,32.5 37,32.25 v2(37.38,32.25)
  vias: v1(32.12,48.62) v1(32.12,47.38) v1(32.75,48) v1(36.25,48) v1(36.88,48.62) v1(36.88,47.38)
/Channel0/CPI: length 2.8
  Bottom w0.25: U302.32 26.62,34.5 26.5,34.62 25.75,34.62 25.12,34
/Channel0/CPO: length 1.4
  Bottom w0.25: C302.2 27.5,34
/Channel0/VCP: length 1.6
  Bottom w0.25: U302.34 26.88,35.5 26.25,36.12
/Channel1/+A: length 10.4
  In3.Cu w0.25: v2(33.75,8.62) 34.6,9.48 34.6,15.4 v2(34.12,15.88)
  Bottom w0.25: U402.40 33,16.75 33.88,15.88
  Bottom w0.5: C413.2 34.23,3.11
/Channel1/+B: length 9.8
  In3.Cu w0.25: v2(27.25,16.38) 27.25,10 v2(26.75,9.5)
  Bottom w0.25: v2(27.25,16.38) 28.5,17.62 28.96,17.62
  Bottom w0.5: 25.39,2.62 25.39,3.11
/Channel1/-A: length 9.8
  In3.Cu w0.25: v2(36.25,16.38) 36.25,10 v2(36.75,9.5)
  Bottom w0.25: 34.54,17.62 35,17.62 v2(36.25,16.38)
  Bottom w0.5: C414.2 38.23,3.11
/Channel1/-B: length 10.5
  In3.Cu w0.25: v2(29.38,15.88) 28.75,15.25 28.75,11.62 29,11.38 29,9.38 v2(29.75,8.62)
  Bottom w0.25: U402.45 30.5,16.88 29.5,15.88
  Bottom w0.5: C412.2 29.27,3.11
/Channel1/ARGB_{I}: length 2.4
  Top w0.095: 41.92,4.04 41.38,4.59 41.38,5.41 40.83,5.96
/Channel1/CHA.C1: length 2
  Bottom w0.25: U402.42 32,16.5 32.62,15.88
/Channel1/CHA.C2: length 3.5
  Bottom w0.25: U402.35 35.12,19.5 34.88,19.25 34.88,18.5 35.5,17.88 36.25,17.88
/Channel1/CHA.H1: length 6.5
  In3.Cu w0.095: v2(32.25,11.12) 32.25,17.25 v2(32.5,17.5)
/Channel1/CHA.H2: length 8.6
  In3.Cu w0.095: v2(36.75,11.12) 37.5,11.88 37.5,18 v2(36.5,19)
/Channel1/CHA.L1: length 9.5
  In3.Cu w0.095: v2(32.5,8.75) 32.12,9.12 32.12,10.38 33.5,11.75 v2(33.5,17.5)
/Channel1/CHA.L2: length 9.3
  In3.Cu w0.095: v2(36.5,8.75) 35.75,9.5 35.75,11.12 35.25,11.62 35.25,15.75 v2(34,17)
/Channel1/CHA.SRH: length 30.7
  In2.Cu w0.095: v2(39.25,9.12) v2(25.88,9.12)
  In3.Cu w0.095: v2(26.12,22.25) 24.12,20.25 24.12,15.38 24.62,14.88 24.62,10.38 v2(25.88,9.12)
  Bottom w0.095: R408.1 v2(39.25,9.12)
  Bottom w0.25: U402.8 26.75,22.5 26.5,22.25 v2(26.12,22.25)
  vias: v1(32.12,8.12) v1(32.12,6.88) v1(32.75,7.5) v1(36.25,7.5) v1(36.88,8.12) v1(36.88,6.88)
/Channel1/CHB.C1: length 3.4
  Bottom w0.25: U402.2 28.38,19.5 28.62,19.25 28.62,18.5 28,17.88 27.38,17.88
/Channel1/CHB.C2: length 2
  Bottom w0.25: U402.43 31.5,16.5 30.88,15.88
/Channel1/CHB.H1: length 9
  In3.Cu w0.095: v2(27,19) 25.5,17.5 25.5,15.12 25.75,14.88 25.75,12.12 v2(26.75,11.12)
/Channel1/CHB.H2: length 6.5
  In3.Cu w0.095: v2(31,17.5) 31.25,17.25 v2(31.25,11.12)
/Channel1/CHB.L1: length 10.3
  In3.Cu w0.095: v2(28,15.62) 28.25,15.38 28.25,11.5 27.88,11.12 27.88,9.62 v2(27,8.75)
  Bottom w0.095: v2(28,15.62) 28,16.12 28.5,16.62 29.38,16.62 29.5,16.75 29.5,17.25
/Channel1/CHB.L2: length 9.2
  In3.Cu w0.095: v2(31,8.75) 30.25,9.5 30.25,11.5 30,11.75 v2(30,17.5)
/Channel1/CHB.SRH: length 18.6
  In3.Cu w0.095: v2(26.12,23.25) 23,20.12 23,15.25 23.38,14.88 23.38,10 v2(24.25,9.12)
  Bottom w0.095: R415.1 v2(24.25,9.12)
  Bottom w0.25: v2(26.12,23.25) 26.5,23.25 26.75,23 U402.9
  vias: v1(26.62,8.12) v1(26.62,6.88) v1(27.25,7.5) v1(30.75,7.5) v1(31.38,8.12) v1(31.38,6.88)
/Channel1/CPI: length 2.8
  Bottom w0.25: U402.32 36.88,21 37,20.88 37.75,20.88 38.38,21.5
/Channel1/CPO: length 1.4
  Bottom w0.25: C403.2 36,21.5
/Channel1/VCP: length 1.6
  Bottom w0.25: U402.34 36.62,20 37.25,19.38
/Channel2/+A: length 10.4
  In3.Cu w0.25: v2(49,46.88) 48.15,46.02 48.15,40.1 v2(48.62,39.62)
  Bottom w0.25: U502.40 49.75,38.75 48.88,39.62
  Bottom w0.5: C513.2 48.52,52.39
/Channel2/+B: length 9.8
  In3.Cu w0.25: v2(55.5,39.12) 55.5,45.5 v2(56,46)
  Bottom w0.25: v2(55.5,39.12) 54.25,37.88 53.79,37.88
  Bottom w0.5: C511.2 57.36,52.39
/Channel2/-A: length 9.8
  In3.Cu w0.25: v2(46.5,39.12) 46.5,45.5 v2(46,46)
  Bottom w0.25: 48.21,37.88 47.75,37.88 v2(46.5,39.12)
  Bottom w0.5: C514.2 44.52,52.39
/Channel2/-B: length 10.5
  In3.Cu w0.25: v2(53.38,39.62) 54,40.25 54,43.88 53.75,44.12 53.75,46.12 v2(53,46.88)
  Bottom w0.25: U502.45 52.25,38.62 53.25,39.62
  Bottom w0.5: C512.2 53.48,52.39
